# Altium PCB PCB2.PcbDoc (part 2 of 2)
Units mil, origin at the board's own origin, x right, y up, seen from the top; angles counter-clockwise.
Board outline 7988.19 x 3326.77 mil, 4 copper layers (Top Layer, Layer 1, Layer 2, Bottom Layer), stack 23.756 mil thick; 173 components, 187 nets, 820 pads, 323 vias.
Unrouted connection lines stored in the file: 193.
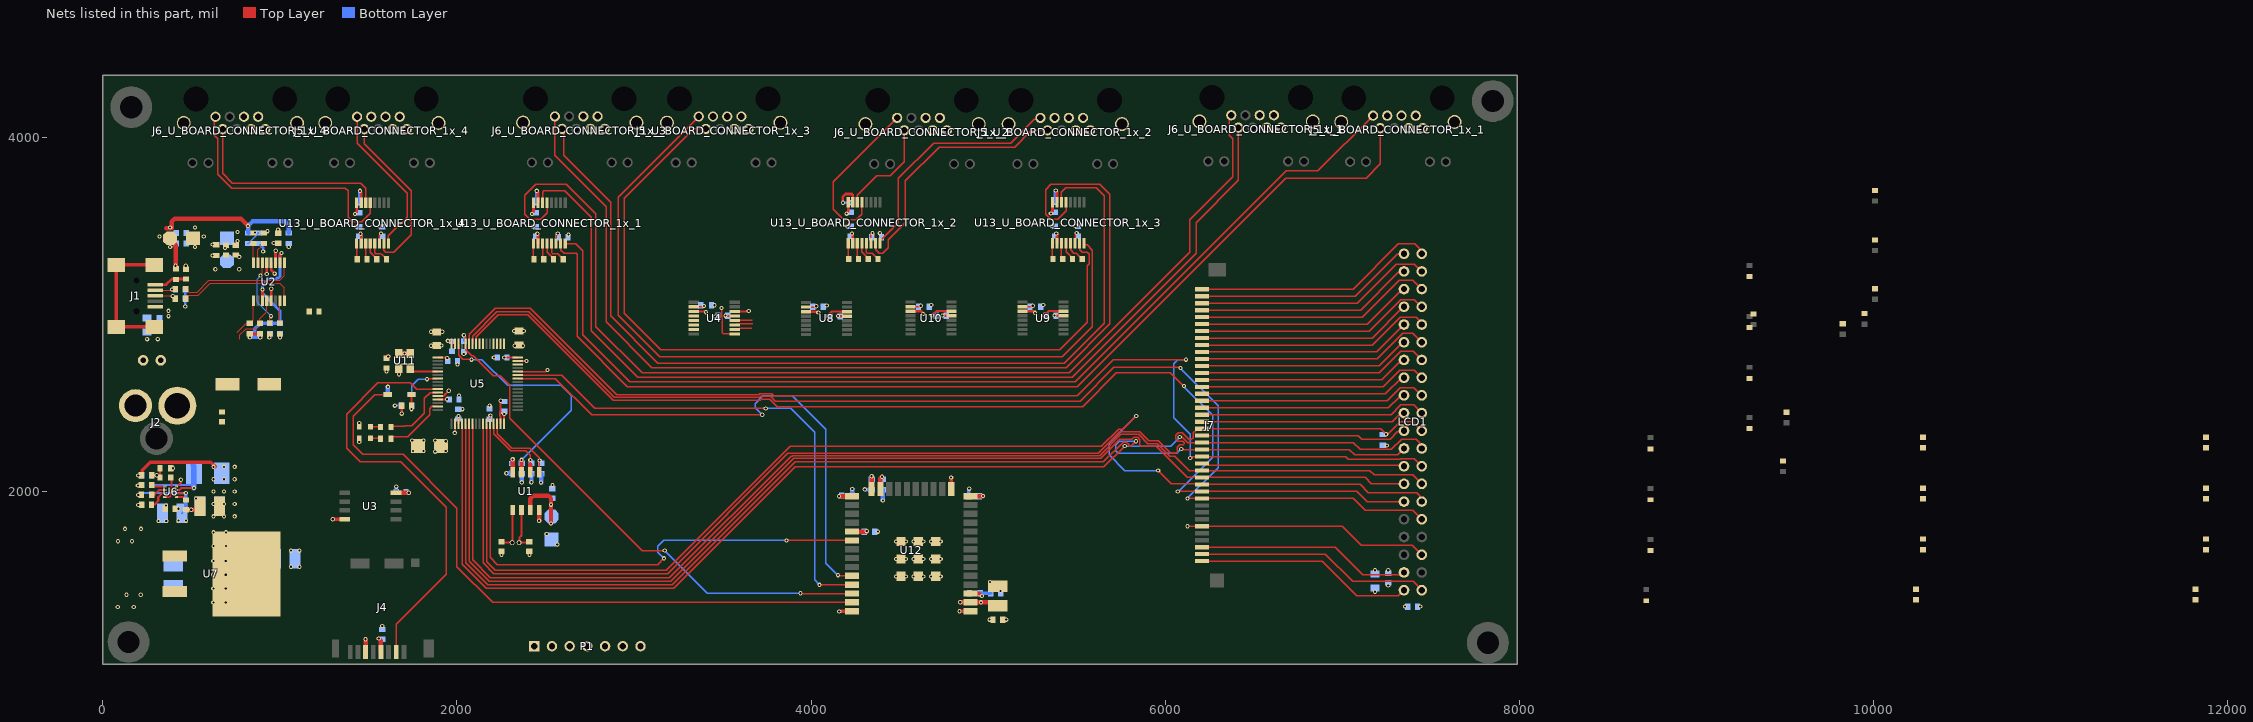
[diagram p4: the nets of this part, all layers, seen from the top]

## Via types
v1: diameter 24, hole 12, Top Layer to Bottom Layer, tented both sides, 260 vias
v2: diameter 24, hole 12, Top Layer to Bottom Layer, 63 vias

## Nets (pads, with @x,y where several pads share a name; then routed paths per layer and width w, separated by ;. In a path a pad name is that pad's centre, name@x,y a point inside that pad or via, vN(x,y) a via of type N, cw(c..) or ccw(c..) an arc to the next point about the centre after c; other vN are vias at no path point) (continued)
GND: C1.2 C2.2 C3.2 C4.1 C5.2 C6.1 C7.1 C8.2 C9.2 C10.1 C11.2 C12.2 C13.1 C14.1 C15.2 C16.2 C17.2 C18.2 C19.2 C20.2 C21.2 C22.2 C23.2 C24.2 C26.1 C27.1 C28.1 C29.2 C30.1 C31.2 C32.2 C33.1 C34.1 C35.2 C36.2 C37.1 C39_U_BOARD_CONNECTOR_1x_1.1 C39_U_BOARD_CONNECTOR_1x_2.1 C39_U_BOARD_CONNECTOR_1x_3.1 C39_U_BOARD_CONNECTOR_1x_4.1 C40.2 C41.2 C42.1 C43.1 C44.2 C45_U_BOARD_CONNECTOR_1x_1.1 C45_U_BOARD_CONNECTOR_1x_2.1 C45_U_BOARD_CONNECTOR_1x_3.1 C45_U_BOARD_CONNECTOR_1x_4.1 C46_U_BOARD_CONNECTOR_1x_1.1 C46_U_BOARD_CONNECTOR_1x_2.1 C46_U_BOARD_CONNECTOR_1x_3.1 C46_U_BOARD_CONNECTOR_1x_4.1 C48.1 C49.2 C50.1 C63.1 C73.1 C74.1 C75.1 C85.1 C86.1 D5.2 D6.2 J1.5 J2.2 J3.1 J4.6 J5_U_BOARD_CONNECTOR_1x_1.5 J5_U_BOARD_CONNECTOR_1x_1.6 J5_U_BOARD_CONNECTOR_1x_2.5 J5_U_BOARD_CONNECTOR_1x_2.6 J5_U_BOARD_CONNECTOR_1x_3.5 J5_U_BOARD_CONNECTOR_1x_3.6 J5_U_BOARD_CONNECTOR_1x_4.5 J5_U_BOARD_CONNECTOR_1x_4.6 J6_U_BOARD_CONNECTOR_1x_1.5 J6_U_BOARD_CONNECTOR_1x_1.6 J6_U_BOARD_CONNECTOR_1x_2.5 J6_U_BOARD_CONNECTOR_1x_2.6 J6_U_BOARD_CONNECTOR_1x_3.5 J6_U_BOARD_CONNECTOR_1x_3.6 J6_U_BOARD_CONNECTOR_1x_4.5 J6_U_BOARD_CONNECTOR_1x_4.6 J7.1 J7.40 LCD1.1 LCD1.40 P1.7 R7.2 R8.2 R21.2 R22.2 R25.2 R26.2 R45.2 U1.4 U2.5 U2.13 U3.4 U4.3 U4.14 U5.12 U5.18 U5.31 U5.47 U5.63 U6.4 U7.1 U8.3 U8.14 U9.3 U9.14 U10.3 U10.14 U11.2 U12.1 U12.15 U12.38 U12.39 U12.40 U12.41 U12.42 U12.43 U12.44 U12.45 U12.46 U12.47 U13_U_BOARD_CONNECTOR_1x_1.15 U13_U_BOARD_CONNECTOR_1x_2.15 U13_U_BOARD_CONNECTOR_1x_3.15 U13_U_BOARD_CONNECTOR_1x_4.15 | length 5296.1
  Top Layer w8: v1(1988.19,2330.71) 1990.39,2332.91 U5.18@1990.39,2381.73 ; J7.40@6208.66,1606.3 6885.83,1606.3 7082.68,1409.45 7315.75,1409.45 LCD1.40@7348.82,1442.52 ; J7.1@6208.66,3141.73 7061.59,3141.73 7317.5,3397.64 7409.45,3397.64 7434.99,3372.09 7434.99,3370.42 7448.82,3356.59 LCD1.1@7448.82,3342.52
  Top Layer w12: U6.4@416.71,2026.83 418.74,2026.83 441.05,2049.15 v1(441.05,2066.15) ; v1(1688.72,2439.04) 1688.98,2439.29 C12.2@1688.98,2484.25 ; U5.12@1892.44,2538.74 1926.08,2538.74 1934.48,2547.14 1934.48,2548.65 v1@1952.76,2566.93 ; U5.31@2246.3,2381.73 2246.3,2423.07 2242.72,2426.65 2242.72,2447.36 2246.3,2450.95 2246.3,2510.08 v1(2248.03,2511.81) ; U5.47@2344.25,2735.59 2395.5,2735.59 v1@2396.41,2736.5 ; U4.3@3337.73,3016.97 3399.35,3016.97 3404,3012.32 v1(3407.24,3012.32) ; U4.14@3569.07,3016.97 3642.19,3016.97 3644.78,3019.57 v1(3648.03,3019.57) ; U8.3@3972.01,3015 4033.63,3015 4038.27,3010.35 v1(4041.52,3010.35) ; v1(4092.7,2990.67) 4117.7,3015.67 4162.11,3015.67 4162.78,3015 U8.14@4203.35,3015 ; U10.3@4562.28,3017.6 4623.9,3017.6 4633.17,3008.33 v1(4633.17,3001.25) ; v1(4682.98,2993.27) 4707.98,3018.27 4752.39,3018.27 4753.06,3017.6 U10.14@4793.62,3017.6 ; U9.3@5194.72,3017.6 5256.34,3017.6 v1(5265.58,3008.36) ; v1(5315.42,2993.27) 5340.42,3018.27 5384.83,3018.27 5385.5,3017.6 U9.14@5426.06,3017.6
  Top Layer w15: v2(926.08,3227.15) 926.31,3227.38 U2.13@926.31,3291.13 ; U2.5@951.35,3077.59 v2(951.32,3144.29) ; v1@1452.76,3697.05 1459.65,3690.16 U13_U_BOARD_CONNECTOR_1x_4.15@1459.65,3630.83 ; v1@2451.36,3697.05 2458.25,3690.16 U13_U_BOARD_CONNECTOR_1x_1.15@2458.25,3630.83 ; v1(4180,3630) 4180,3665 4195,3680 4229.19,3680 4236.43,3672.76 4236.43,3633.05 U13_U_BOARD_CONNECTOR_1x_2.15@4235.75,3632.36 ; v1@5382.05,3699.14 5388.94,3692.25 U13_U_BOARD_CONNECTOR_1x_3.15@5388.94,3632.92
  Top Layer w20: v1(1299.21,1842.52) 1299.41,1842.32 U3.4@1367.13,1842.32 ; v1(4159.1,1322.01) 4160.18,1322.01 4161.58,1323.41 U12.38@4232.2,1323.41 ; v1(4791.34,2078.74) 4791.85,2078.23 U12.15@4791.85,2012.78 ; v1(4838.74,1323.2) 4838.95,1323.41 U12.1@4901.5,1323.41
  Top Layer w25: C28.1@470.31,1896.43 529.51,1896.43 C75.1@549.11,1916.03 ; J4.6@1484.25,1092.52 v2(1484.25,1165.35) ; U11.2@1672.36,2695.59 1673.23,2694.72 v1(1673.23,2661.42) ; v1(2464.57,1834.65) 2464.88,1834.96 U1.4@2464.88,1894.96
  Bottom Layer w15: C50.1@465.91,3139.84 C63.1@465.91,3089.84 465.91,3044.27 v2(465.99,3044.18) ; R25.2@890.79,3389.84 905.79,3374.84 v2(905.79,3354.84) ; C39_U_BOARD_CONNECTOR_1x_4.1@1448.82,3629.33 1448.82,3691.25 1452.66,3695.1 v1(1452.66,3697.53) ; C39_U_BOARD_CONNECTOR_1x_1.1@2447.42,3629.33 2447.42,3691.25 2451.27,3695.1 v1(2451.27,3697.53) ; v1(4180,3630) 4224.06,3630 C39_U_BOARD_CONNECTOR_1x_2.1@4224.92,3630.86 ; C39_U_BOARD_CONNECTOR_1x_3.1@5378.11,3631.42 5378.11,3693.34 5381.96,3697.19 v1(5381.96,3699.63)
  Bottom Layer w20: C7.1@1657.48,1996.06 1657.69,1996.27 1657.69,2026.72 v1(1657.9,2026.93) ; v1@4308.02,2009.71 4342.18,2009.71 R26.2@4342.52,2009.37 ; R21.2@4891.26,1972.44 4891.26,2012.22 4892.94,2013.9 v1@4892.39,2014.44
  Bottom Layer w25: v1@2284.16,2101.43 2310.1,2101.43 C1.2@2311.02,2102.36
  other v1: 1578.74,1240.16 5102.36,1275.59 7354.33,1350.39 7185.04,1433.07 5070.87,1437.01 7259.84,1468.5 5011.81,1488.19 4480.31,1519.69 4535.43,1519.69 4578.74,1519.69 4633.86,1519.69 4677.17,1519.69 4732.28,1519.69 1062.99,1574.8 1110.24,1574.8 4480.31,1618.11 4535.43,1618.11 4578.74,1618.11 4633.86,1618.11 4677.17,1618.11 4732.28,1618.11 2251.97,1641.73 2409.45,1641.73 1062.99,1665.35 1110.24,1665.35 2566.93,1700.79 4480.31,1716.54 4535.43,1716.54 4578.74,1716.54 4633.86,1716.54 4677.17,1716.54 4732.28,1716.54 2507.87,1759.84 315.21,1833.33 358.41,1833.33 499.91,1896.43 356.91,1920.03 200.21,1923.13 526.71,1959.23 4303.15,2011.81 4893.7,2015.75 2539.37,2035.43 2279.53,2102.36 396.84,2130.61 1751.97,2228.35 1811.02,2228.35 1448.82,2279.53 1748.03,2287.4 1811.02,2287.4 1448.82,2385.83 2031.5,2464.57 2185.04,2484.25 2012.08,2541.23 1953.89,2568.48 1602.36,2677.17 2003.94,2716.54 2393.7,2736.22 2208.66,2755.91 2038.5,2775.41 1854.33,2901.57 1917.32,2901.57 2322.83,2905.51 2377.95,2905.51 3459.05,2988.07 2630,3450 4388.73,3458.36 1429.13,3496.26 1562.99,3496.26 2427.74,3496.26 4205.24,3497.79 5358.42,3498.35 5492.28,3498.35
  other v2: 85.91,1718.74 165.91,1718.74 125.91,1788.74 215.91,1788.74 370.79,2989.84 370.79,3019.84 468.72,3274.37 690.79,3374.84 520.79,3379.84 760.79,3414.84 570.79,3439.84 760.79,3464.84 990.79,3479.84 520.79,3489.84
I2C2_SCL: R3.1 U1.6 U5.29 | length 411
  Top Layer w8: U5.29@2206.93,2381.73 2206.93,2324.57 2303.15,2228.35 2389.76,2228.35 2414.88,2203.23 2414.88,2177.48 2414.88,2149.61
  Top Layer w25: U1.6@2414.88,2107.56 2414.88,2149.61
  other v1: 2414.78,2177.48
I2C2_SDA: R2.1 U1.5 U5.30 | length 400.8
  Top Layer w8: U5.30@2226.61,2381.73 2226.61,2326.1 2309.36,2243.35 2410.2,2243.35 2464.5,2189.04 2464.5,2177.86 v1(2467.56,2174.8) ; 2464.88,2139.84 v1@2464.88,2174.8
JNTRST: P1.4 U5.56
JTCK/SWCLK: P1.3 U5.49
JTDI: P1.6 U5.50
JTDO: P1.5 U5.55
JTMS/SWDIO: P1.2 U5.46
LCD_BL: J7.29 LCD1.29 U5.27 | length 6996.3
  Top Layer w8: U5.27@2167.56,2381.73 2167.56,1604.09 2216.54,1555.12 3182.01,1555.12 3881.87,2254.98 5640.14,2254.98 5736.63,2351.46 5761.9,2351.46 v1(5836.55,2426.12) ; v1(5960.63,2118.11) 6035.43,2043.31 6204.72,2043.31 J7.29@6208.66,2039.37 7102.67,2039.37 7148.19,1993.85 7419.53,1993.85 7438.87,1974.52 7438.87,1952.47 LCD1.29@7448.82,1942.52
  Bottom Layer w8: v1(5836.55,2426.12) 5685.04,2274.61 5685.04,2206.17 5773.1,2118.11 v1(5960.63,2118.11)
LCD_D/C: J7.25 LCD1.25 U5.59 | length 6443.5
  Top Layer w8: U5.59@2069.13,2833.54 2069.13,2888.03 2216.82,3035.72 2415,3035.72 2904.15,2546.57 3704.79,2546.57 3709.71,2551.5 3778.47,2551.5 3790.52,2539.45 5504.45,2539.45 5707.74,2742.74 6116.76,2742.74 v1(6118.11,2744.09) ; v1(6141.73,2188.98) 6146.06,2188.98 6153.94,2196.85 J7.25@6208.66,2196.85 7019.69,2196.85 7033.57,2182.96 7331.28,2182.96 7331.84,2183.52 7407.82,2183.52 LCD1.25@7448.82,2142.52
  Bottom Layer w8: v1(6118.11,2744.09) 6070.87,2744.09 6047.41,2720.64 6047.41,2417.15 6141.73,2322.83 v1(6141.73,2188.98)
LCD_NCS: J7.23 LCD1.23 U5.20 | length 6710.1
  Top Layer w8: U5.20@2029.76,2381.73 2029.76,1588.35 2165.35,1452.76 3224.41,1452.76 3909.82,2138.16 5653.91,2138.16 v1(5771.65,2255.91) ; v1(6082.68,2307.09) 6097.38,2307.09 6128.88,2275.59 J7.23@6208.66,2275.59 7062,2275.59 7100.75,2236.84 7277.71,2236.84 7336.14,2295.28 7417.32,2295.28 7438.87,2273.73 7438.87,2252.47 LCD1.23@7448.82,2242.52
  Bottom Layer w8: v1(5771.65,2255.91) 6031.5,2255.91 v1(6082.68,2307.09)
LCD_RESET_N: J7.21 LCD1.21 R27.1 U5.26 | length 6798.4
  Top Layer w8: U5.26@2147.87,2381.73 2147.87,1595.94 2208.38,1535.43 3190.16,1535.43 3868.89,2214.15 3887.7,2214.15 3890.49,2216.94 5623.32,2216.94 5742.85,2336.46 5856.6,2336.46 5908.05,2285.01 5962.14,2285.01 6033,2214.15 6062.86,2214.15 6067.55,2218.84 6067.55,2249.68 6081.02,2263.16 6104.1,2263.16 6108.78,2267.84 6108.78,2274.47 6099.17,2284.09 6073.15,2284.09 6059.68,2297.56 6059.68,2316.61 6073.15,2330.09 6095.6,2330.09 6135.09,2290.59 6144.92,2290.59 6158.29,2303.96 6158.29,2331.33 6164.73,2337.77 6168.61,2337.77 6173.29,2342.46 6173.29,2346.52 6181.1,2354.33 7216.54,2354.33 v1(7248.03,2322.83) 7251.09,2325.9 7260.73,2325.9 7328.54,2393.7 7397.64,2393.7 LCD1.21@7448.82,2342.52
LCD_SCK: J7.24 LCD1.24 U5.21 | length 6812.8
  Top Layer w8: U5.21@2049.45,2381.73 2049.45,1596.5 2173.51,1472.44 3216.26,1472.44 3911.07,2167.26 5650.48,2167.26 5762.13,2278.91 5781.18,2278.91 5794.65,2265.43 5794.65,2259.47 5799.34,2254.79 5805.97,2254.79 v1(5834.65,2283.46) ; v1(6090.55,2240.16) 6094.49,2236.22 J7.24@6208.66,2236.22 7039.79,2236.22 7069.55,2206.46 7312.76,2206.46 LCD1.24@7348.82,2242.52
  Bottom Layer w8: v1(5834.65,2283.46) 5740.16,2283.46 5720.47,2263.78 5720.47,2228.39 5734.65,2214.21 6064.61,2214.21 v1(6090.55,2240.16)
LCD_SDCARD_CS: J7.35 LCD1.35 U5.44 | length 1560.5
  Top Layer w8: U5.44@2344.25,2676.54 2503.31,2676.54 v1(2511.81,2685.04) ; v1(6125.98,1803.15) J7.35@6208.66,1803.15 7000,1803.15 7106.3,1696.85 7394.49,1696.85 LCD1.35@7448.82,1642.52
LCD_SDI: J7.27 LCD1.27 U5.23 | length 6621.7
  Top Layer w8: U5.23@2088.82,2381.73 2088.82,1612.81 2189.82,1511.81 3199.95,1511.81 3887.17,2199.04 3893.8,2199.04 3896.7,2201.94 5629.53,2201.94 5749.06,2321.46 5850.39,2321.46 5901.84,2270.01 5955.92,2270.01 6026.9,2199.04 6055.5,2199.04 6136.43,2118.11 J7.27@6208.66,2118.11 7156,2118.11 7181.3,2092.81 7398.53,2092.81 LCD1.27@7448.82,2042.52
LCD_SDO: J7.28 LCD1.28 U5.22 | length 6569.5
  Top Layer w8: U5.22@2069.13,2381.73 2069.13,1604.65 2181.66,1492.13 3208.1,1492.13 3902.92,2186.94 5635.75,2186.94 5742.71,2293.91 5812.56,2293.91 5825.12,2306.46 5844.17,2306.46 5857.65,2292.99 5857.65,2259.7 5862.33,2255.01 5949.71,2255.01 6125.98,2078.74 J7.28@6208.66,2078.74 7128.7,2078.74 7164.92,2042.52 LCD1.28@7348.82,2042.52
LCD_TOUCH_CS: J7.30 LCD1.30 U5.57 | length 6466.9
  Top Layer w8: U5.57@2108.5,2833.54 2108.5,2872.28 2232.97,2996.75 2398.85,2996.75 2882.1,2513.5 3714.14,2513.5 3722.14,2521.5 3766.05,2521.5 3808.1,2479.45 5535.07,2479.45 5725,2669.38 6027.47,2669.38 6101.38,2595.47 v1(6106.3,2595.47) ; v1(6070.87,2000) J7.30@6208.66,2000 7082.68,2000 7140.16,1942.52 LCD1.30@7348.82,1942.52
  Bottom Layer w8: v1(6070.87,2000) 6075.2,2000 6081.64,2006.45 6082.36,2006.45 6267.72,2191.8 6267.72,2429.13 6106.3,2590.55 v1(6106.3,2595.47)
LCD_TOUCH_INTR: J7.31 LCD1.31 U5.58 | length 6659.7
  Top Layer w8: U5.58@2088.82,2833.54 2088.82,2876.22 2226.05,3013.45 2405.77,3013.45 2887.65,2531.57 3711,2531.57 3715.93,2536.5 3772.26,2536.5 3799.31,2509.45 5519.45,2509.45 5710.52,2700.52 6073.93,2700.52 6074.54,2699.91 6083.55,2699.91 v1(6086.61,2696.85) ; v1@6125.73,1958.57 6127.78,1960.63 J7.31@6208.66,1960.63 7062.99,1960.63 7130.87,1892.75 7398.59,1892.75 LCD1.31@7448.82,1842.52
  Bottom Layer w8: v1(6086.61,2696.85) 6299.21,2484.25 6299.21,2133.86 v1(6125.98,1960.63)
MFP: R1.1 U1.7 U5.62 | length 1342.6
  Top Layer w8: U5.62@2010.08,2833.54 2010.08,2768.39 2032.48,2746 v1@2082.61,2746
  Top Layer w25: U1.7@2364.88,2107.56 v1@2364.88,2175.93
  Bottom Layer w8: v1(2082.68,2744.09) 2141.73,2744.09 2287.4,2598.43 2590.55,2598.43 2645.67,2543.31 2645.67,2458.92 v1(2365.12,2178.38)
NetC25_1: C25.1 L6.1 U6.3 | length 472.6
  Top Layer w12: U6.3@416.71,2007.15 431.71,2007.15 444.89,2020.33 v1(514.71,2020.33)
  Bottom Layer w12: C25.1@275.07,2035.73 499.31,2035.73 v1@510.43,2024.62
  Bottom Layer w30: L6.1@510.43,2147.73 514.71,2143.45 v1(514.71,2020.33)
NetC25_2: C25.2 R53.2
  other v1: 198.41,2033.73
NetC28_2: C28.2 U6.1 | length 60.3
  Top Layer w10: U6.1@416.71,1967.78 454.08,1967.78 C28.2@470.31,1951.55
NetC31_1: C31.1 R14.2 U12.3 | length 130.9
  Top Layer w20: U12.3@4901.5,1423.41 4903.29,1425.2 4948.82,1425.2 v1(4964.57,1409.45)
  Bottom Layer w20: R14.2@4955.2,1425.2 C31.1@5015.75,1425.2
NetC38_U_BOARD_CONNECTOR_1x_1_1: C38_U_BOARD_CONNECTOR_1x_1.1 U13_U_BOARD_CONNECTOR_1x_1.3 | length 91.9
  Top Layer w8: U13_U_BOARD_CONNECTOR_1x_1.3@2483.84,3399.49 2483.84,3317.32 C38_U_BOARD_CONNECTOR_1x_1.1@2490.73,3310.43
NetC38_U_BOARD_CONNECTOR_1x_1_2: C38_U_BOARD_CONNECTOR_1x_1.2 U13_U_BOARD_CONNECTOR_1x_1.1 | length 90.3
  Top Layer w8: U13_U_BOARD_CONNECTOR_1x_1.1@2432.66,3399.49 2432.66,3313.39 C38_U_BOARD_CONNECTOR_1x_1.2@2435.61,3310.43
NetC38_U_BOARD_CONNECTOR_1x_2_1: C38_U_BOARD_CONNECTOR_1x_2.1 U13_U_BOARD_CONNECTOR_1x_2.3 | length 91.9
  Top Layer w8: U13_U_BOARD_CONNECTOR_1x_2.3@4261.34,3401.02 4261.34,3318.85 C38_U_BOARD_CONNECTOR_1x_2.1@4268.23,3311.96
NetC38_U_BOARD_CONNECTOR_1x_2_2: C38_U_BOARD_CONNECTOR_1x_2.2 U13_U_BOARD_CONNECTOR_1x_2.1 | length 90.3
  Top Layer w8: U13_U_BOARD_CONNECTOR_1x_2.1@4210.16,3401.02 4210.16,3314.92 C38_U_BOARD_CONNECTOR_1x_2.2@4213.11,3311.96
NetC38_U_BOARD_CONNECTOR_1x_3_1: C38_U_BOARD_CONNECTOR_1x_3.1 U13_U_BOARD_CONNECTOR_1x_3.3 | length 91.9
  Top Layer w8: U13_U_BOARD_CONNECTOR_1x_3.3@5414.53,3401.58 5414.53,3319.41 C38_U_BOARD_CONNECTOR_1x_3.1@5421.42,3312.52
NetC38_U_BOARD_CONNECTOR_1x_3_2: C38_U_BOARD_CONNECTOR_1x_3.2 U13_U_BOARD_CONNECTOR_1x_3.1 | length 90.3
  Top Layer w8: U13_U_BOARD_CONNECTOR_1x_3.1@5363.35,3401.58 5363.35,3315.48 C38_U_BOARD_CONNECTOR_1x_3.2@5366.3,3312.52
NetC38_U_BOARD_CONNECTOR_1x_4_1: C38_U_BOARD_CONNECTOR_1x_4.1 U13_U_BOARD_CONNECTOR_1x_4.3 | length 91.9
  Top Layer w8: U13_U_BOARD_CONNECTOR_1x_4.3@1485.24,3399.49 1485.24,3317.32 C38_U_BOARD_CONNECTOR_1x_4.1@1492.13,3310.43
NetC38_U_BOARD_CONNECTOR_1x_4_2: C38_U_BOARD_CONNECTOR_1x_4.2 U13_U_BOARD_CONNECTOR_1x_4.1 | length 90.3
  Top Layer w8: U13_U_BOARD_CONNECTOR_1x_4.1@1434.06,3399.49 1434.06,3313.39 C38_U_BOARD_CONNECTOR_1x_4.2@1437.01,3310.43
NetC44_1: C44.1 J1.1 L4.2 | length 188.4
  Top Layer w15: J1.1@295.71,3167.64 358.58,3167.64 390.79,3199.84 C44.1@470.79,3199.84
NetC45_U_BOARD_CONNECTOR_1x_1_2: C45_U_BOARD_CONNECTOR_1x_1.2 U13_U_BOARD_CONNECTOR_1x_1.6 | length 61.1
  Top Layer w8: U13_U_BOARD_CONNECTOR_1x_1.6@2560.61,3399.49 2560.61,3444.2 2569.47,3453.06 v1(2569.47,3456.89)
NetC45_U_BOARD_CONNECTOR_1x_2_2: C45_U_BOARD_CONNECTOR_1x_2.2 U13_U_BOARD_CONNECTOR_1x_2.6 | length 61.1
  Top Layer w8: U13_U_BOARD_CONNECTOR_1x_2.6@4338.11,3401.02 4338.11,3445.74 4346.97,3454.59 v1(4346.97,3458.42)
NetC45_U_BOARD_CONNECTOR_1x_3_2: C45_U_BOARD_CONNECTOR_1x_3.2 U13_U_BOARD_CONNECTOR_1x_3.6 | length 61.1
  Top Layer w8: U13_U_BOARD_CONNECTOR_1x_3.6@5491.3,3401.58 5491.3,3446.29 5500.16,3455.15 v1(5500.16,3458.98)
NetC45_U_BOARD_CONNECTOR_1x_4_2: C45_U_BOARD_CONNECTOR_1x_4.2 U13_U_BOARD_CONNECTOR_1x_4.6 | length 61.1
  Top Layer w8: U13_U_BOARD_CONNECTOR_1x_4.6@1562.01,3399.49 1562.01,3444.2 1570.87,3453.06 v1(1570.87,3456.89)
NetC46_U_BOARD_CONNECTOR_1x_1_2: C46_U_BOARD_CONNECTOR_1x_1.2 U13_U_BOARD_CONNECTOR_1x_1.2 | length 57.3
  Top Layer w15: v1(2454.35,3455.12) 2454.35,3450.79 2458.25,3446.89 U13_U_BOARD_CONNECTOR_1x_1.2@2458.25,3399.49
NetC46_U_BOARD_CONNECTOR_1x_2_2: C46_U_BOARD_CONNECTOR_1x_2.2 U13_U_BOARD_CONNECTOR_1x_2.2 | length 57.3
  Top Layer w15: v1(4231.85,3456.65) 4231.85,3452.33 4235.75,3448.42 U13_U_BOARD_CONNECTOR_1x_2.2@4235.75,3401.02
NetC46_U_BOARD_CONNECTOR_1x_3_2: C46_U_BOARD_CONNECTOR_1x_3.2 U13_U_BOARD_CONNECTOR_1x_3.2 | length 57.3
  Top Layer w15: v1(5385.03,3457.21) 5385.03,3452.88 5388.94,3448.98 U13_U_BOARD_CONNECTOR_1x_3.2@5388.94,3401.58
NetC46_U_BOARD_CONNECTOR_1x_4_2: C46_U_BOARD_CONNECTOR_1x_4.2 U13_U_BOARD_CONNECTOR_1x_4.2 | length 57.3
  Top Layer w15: v1(1455.74,3455.12) 1455.74,3450.79 1459.65,3446.89 U13_U_BOARD_CONNECTOR_1x_4.2@1459.65,3399.49
NetC47_U_BOARD_CONNECTOR_1x_1_1: C47_U_BOARD_CONNECTOR_1x_1.1 U13_U_BOARD_CONNECTOR_1x_1.5 | length 135
  Top Layer w8: U13_U_BOARD_CONNECTOR_1x_1.5@2535.02,3399.49 2535.02,3347.4 2539.71,3342.72 2568.72,3342.72 2573.41,3338.03 ; 2573.41,3337.99 2587.25,3324.15 2589.97,3324.15 2600.97,3313.15 C47_U_BOARD_CONNECTOR_1x_1.1@2600.97,3310.43
NetC47_U_BOARD_CONNECTOR_1x_1_2: C47_U_BOARD_CONNECTOR_1x_1.2 U13_U_BOARD_CONNECTOR_1x_1.4 | length 104.1
  Top Layer w8: U13_U_BOARD_CONNECTOR_1x_1.4@2509.43,3399.49 2509.43,3351.58 2534.85,3326.16 2534.85,3321.43 C47_U_BOARD_CONNECTOR_1x_1.2@2545.85,3310.43
NetC47_U_BOARD_CONNECTOR_1x_2_1: C47_U_BOARD_CONNECTOR_1x_2.1 U13_U_BOARD_CONNECTOR_1x_2.5 | length 135
  Top Layer w8: U13_U_BOARD_CONNECTOR_1x_2.5@4312.52,3401.02 4312.52,3348.93 4317.21,3344.25 4346.22,3344.25 4350.91,3339.56 ; 4350.91,3339.52 4364.75,3325.68 4367.46,3325.68 4378.46,3314.68 C47_U_BOARD_CONNECTOR_1x_2.1@4378.46,3311.96
NetC47_U_BOARD_CONNECTOR_1x_2_2: C47_U_BOARD_CONNECTOR_1x_2.2 U13_U_BOARD_CONNECTOR_1x_2.4 | length 104.1
  Top Layer w8: U13_U_BOARD_CONNECTOR_1x_2.4@4286.93,3401.02 4286.93,3353.11 4312.35,3327.69 4312.35,3322.96 C47_U_BOARD_CONNECTOR_1x_2.2@4323.35,3311.96
NetC47_U_BOARD_CONNECTOR_1x_3_1: C47_U_BOARD_CONNECTOR_1x_3.1 U13_U_BOARD_CONNECTOR_1x_3.5 | length 126.5
  Top Layer w8: U13_U_BOARD_CONNECTOR_1x_3.5@5465.71,3401.58 5465.71,3364 5484.9,3344.81 5499.41,3344.81 5504.09,3340.12 ; 5504.09,3340.08 5517.94,3326.24 5520.65,3326.24 5531.65,3315.24 C47_U_BOARD_CONNECTOR_1x_3.1@5531.65,3312.52
NetC47_U_BOARD_CONNECTOR_1x_3_2: C47_U_BOARD_CONNECTOR_1x_3.2 U13_U_BOARD_CONNECTOR_1x_3.4 | length 104.1
  Top Layer w8: U13_U_BOARD_CONNECTOR_1x_3.4@5440.12,3401.58 5440.12,3353.67 5465.54,3328.25 5465.54,3323.52 C47_U_BOARD_CONNECTOR_1x_3.2@5476.54,3312.52
NetC47_U_BOARD_CONNECTOR_1x_4_1: C47_U_BOARD_CONNECTOR_1x_4.1 U13_U_BOARD_CONNECTOR_1x_4.5 | length 135
  Top Layer w8: U13_U_BOARD_CONNECTOR_1x_4.5@1536.42,3399.49 1536.42,3347.4 1541.1,3342.72 1570.12,3342.72 1574.8,3338.03 ; 1574.8,3337.99 1588.65,3324.15 1591.36,3324.15 1602.36,3313.15 C47_U_BOARD_CONNECTOR_1x_4.1@1602.36,3310.43
NetC47_U_BOARD_CONNECTOR_1x_4_2: C47_U_BOARD_CONNECTOR_1x_4.2 U13_U_BOARD_CONNECTOR_1x_4.4 | length 104.1
  Top Layer w8: U13_U_BOARD_CONNECTOR_1x_4.4@1510.83,3399.49 1510.83,3351.57 1536.24,3326.16 1536.24,3321.43 C47_U_BOARD_CONNECTOR_1x_4.2@1547.24,3310.43
NetC50_2: C50.2 J1.2 R18.1 | length 116.5
  Top Layer w7: J1.2@295.71,3136.14 402.07,3136.14 R18.1@409.21,3143.27
  other v2: 390.79,3139.84
NetC63_2: C63.2 J1.3 R19.1 | length 121.6
  Top Layer w7: J1.3@295.71,3104.65 393.17,3104.65 v2(395.21,3102.61) 397.71,3102.61 409.21,3091.11 R19.1@409.21,3088.61
NetC73_2: C73.2 U6.7 | length 113.7
  Top Layer w12: C73.2@275.07,1925.25 292.41,1925.25 313.71,1946.55 313.71,1967.57 333.6,1987.46 U6.7@350.72,1987.46
NetC76_2: C76.2 R43.1 R44.1 R45.1 | length 131.5
  Top Layer w12: R44.1@277.81,2091.63 277.91,2091.53 v1(305.01,2091.53) 312.16,2084.38 318.03,2084.38 R43.1@323.26,2079.15 R45.1@323.26,2130.33
  Bottom Layer w12: C76.2@275.37,2091.63 275.47,2091.53 v1(305.01,2091.53)
NetD3_1: D3.1 R30.1
  other v2: 1000.79,2869.84
NetD4_1: D4.1 R31.1
  other v2: 940.79,2869.84
NetD5_1: D5.1 R32.1 | length 57.4
  Top Layer w8: D5.1@1511.81,2299.21 1566.52,2299.21 R32.1@1568.43,2297.3
NetD6_1: D6.1 R33.1 | length 57.4
  Top Layer w8: D6.1@1511.81,2366.14 1513.72,2364.23 R33.1@1568.43,2364.23
NetD7_U_BOARD_CONNECTOR_1x_1_1: D7_U_BOARD_CONNECTOR_1x_1.1 R34_U_BOARD_CONNECTOR_1x_1.1
NetD7_U_BOARD_CONNECTOR_1x_2_1: D7_U_BOARD_CONNECTOR_1x_2.1 R34_U_BOARD_CONNECTOR_1x_2.1
NetD7_U_BOARD_CONNECTOR_1x_3_1: D7_U_BOARD_CONNECTOR_1x_3.1 R34_U_BOARD_CONNECTOR_1x_3.1
NetD7_U_BOARD_CONNECTOR_1x_4_1: D7_U_BOARD_CONNECTOR_1x_4.1 R34_U_BOARD_CONNECTOR_1x_4.1
NetD8_U_BOARD_CONNECTOR_1x_1_1: D8_U_BOARD_CONNECTOR_1x_1.1 R35_U_BOARD_CONNECTOR_1x_1.1
NetD8_U_BOARD_CONNECTOR_1x_2_1: D8_U_BOARD_CONNECTOR_1x_2.1 R35_U_BOARD_CONNECTOR_1x_2.1
NetD8_U_BOARD_CONNECTOR_1x_3_1: D8_U_BOARD_CONNECTOR_1x_3.1 R35_U_BOARD_CONNECTOR_1x_3.1
NetD8_U_BOARD_CONNECTOR_1x_4_1: D8_U_BOARD_CONNECTOR_1x_4.1 R35_U_BOARD_CONNECTOR_1x_4.1
NetJ7_3: J7.3 LCD1.3 | length 1348.5
  Top Layer w8: J7.3@6208.66,3062.99 7085.46,3062.99 7305.94,3283.46 7331.78,3283.46 7331.84,3283.52 7407.82,3283.52 LCD1.3@7448.82,3242.52
NetJ7_4: J7.4 LCD1.4 | length 1230.8
  Top Layer w8: J7.4@6208.66,3023.62 7103.87,3023.62 7314.09,3233.85 7340.15,3233.85 LCD1.4@7348.82,3242.52
NetJ7_5: J7.5 LCD1.5 | length 1347.5
  Top Layer w8: J7.5@6208.66,2984.25 7114.02,2984.25 7322.68,3192.91 7398.43,3192.91 LCD1.5@7448.82,3142.52
NetJ7_6: J7.6 LCD1.6 | length 1222
  Top Layer w8: J7.6@6208.66,2944.88 7142.59,2944.88 7340.23,3142.52 LCD1.6@7348.82,3142.52
NetJ7_7: J7.7 LCD1.7 | length 1330.9
  Top Layer w8: J7.7@6208.66,2905.51 7153.83,2905.51 7331.84,3083.52 7407.82,3083.52 LCD1.7@7448.82,3042.52
NetJ7_8: J7.8 LCD1.8 | length 1213.2
  Top Layer w8: J7.8@6208.66,2866.14 7168.61,2866.14 7344.99,3042.52 LCD1.8@7348.82,3042.52
NetJ7_9: J7.9 LCD1.9 | length 1328.7
  Top Layer w8: J7.9@6208.66,2826.77 7169.29,2826.77 7326.77,2984.25 7417.32,2984.25 7448.82,2952.76 LCD1.9@7448.82,2942.52
NetJ7_10: J7.10 LCD1.10 | length 1204.4
  Top Layer w8: J7.10@6208.66,2787.4 7193.7,2787.4 LCD1.10@7348.82,2942.52
NetJ7_11: J7.11 LCD1.11 | length 1322
  Top Layer w8: J7.11@6208.66,2748.03 7196.85,2748.03 7307.82,2859 7307.82,2859.5 7342.02,2893.7 7397.64,2893.7 LCD1.11@7448.82,2842.52
NetJ7_12: J7.12 LCD1.12 | length 1195.6
  Top Layer w8: J7.12@6208.66,2708.66 7209.22,2708.66 7343.08,2842.52 LCD1.12@7348.82,2842.52
NetJ7_13: J7.13 LCD1.13 | length 1310.9
  Top Layer w8: J7.13@6208.66,2669.29 7208.66,2669.29 7330.71,2791.34 7400,2791.34 LCD1.13@7448.82,2742.52
NetJ7_14: J7.14 LCD1.14 | length 1186.8
  Top Layer w8: J7.14@6208.66,2629.92 7223.18,2629.92 7335.77,2742.52 LCD1.14@7348.82,2742.52
NetJ7_15: J7.15 LCD1.15 | length 1296.9
  Top Layer w8: J7.15@6208.66,2590.55 7230.79,2590.55 7325.28,2685.04 7406.3,2685.04 LCD1.15@7448.82,2642.52